# KiCad board Ortholith.kicad_pcb
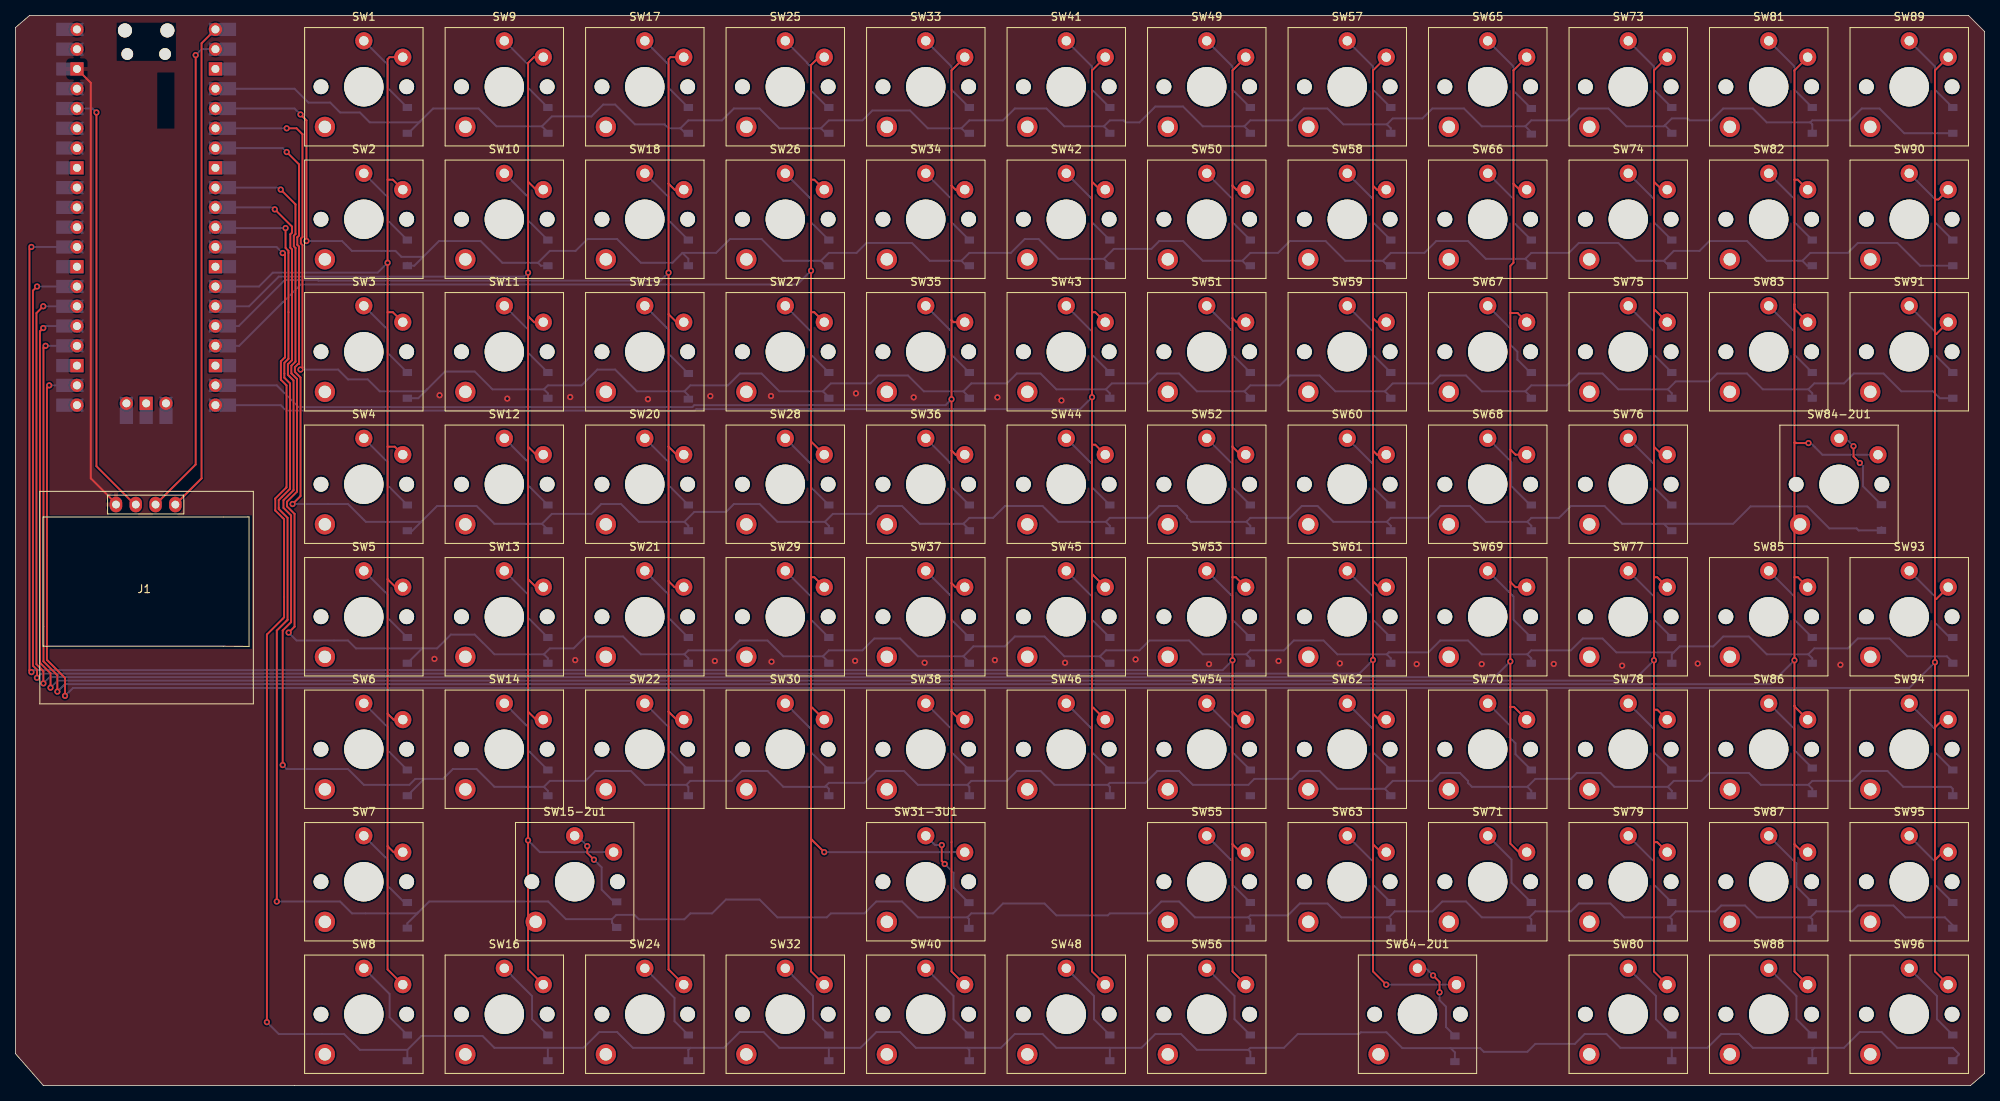
[diagram p0: board, top side]
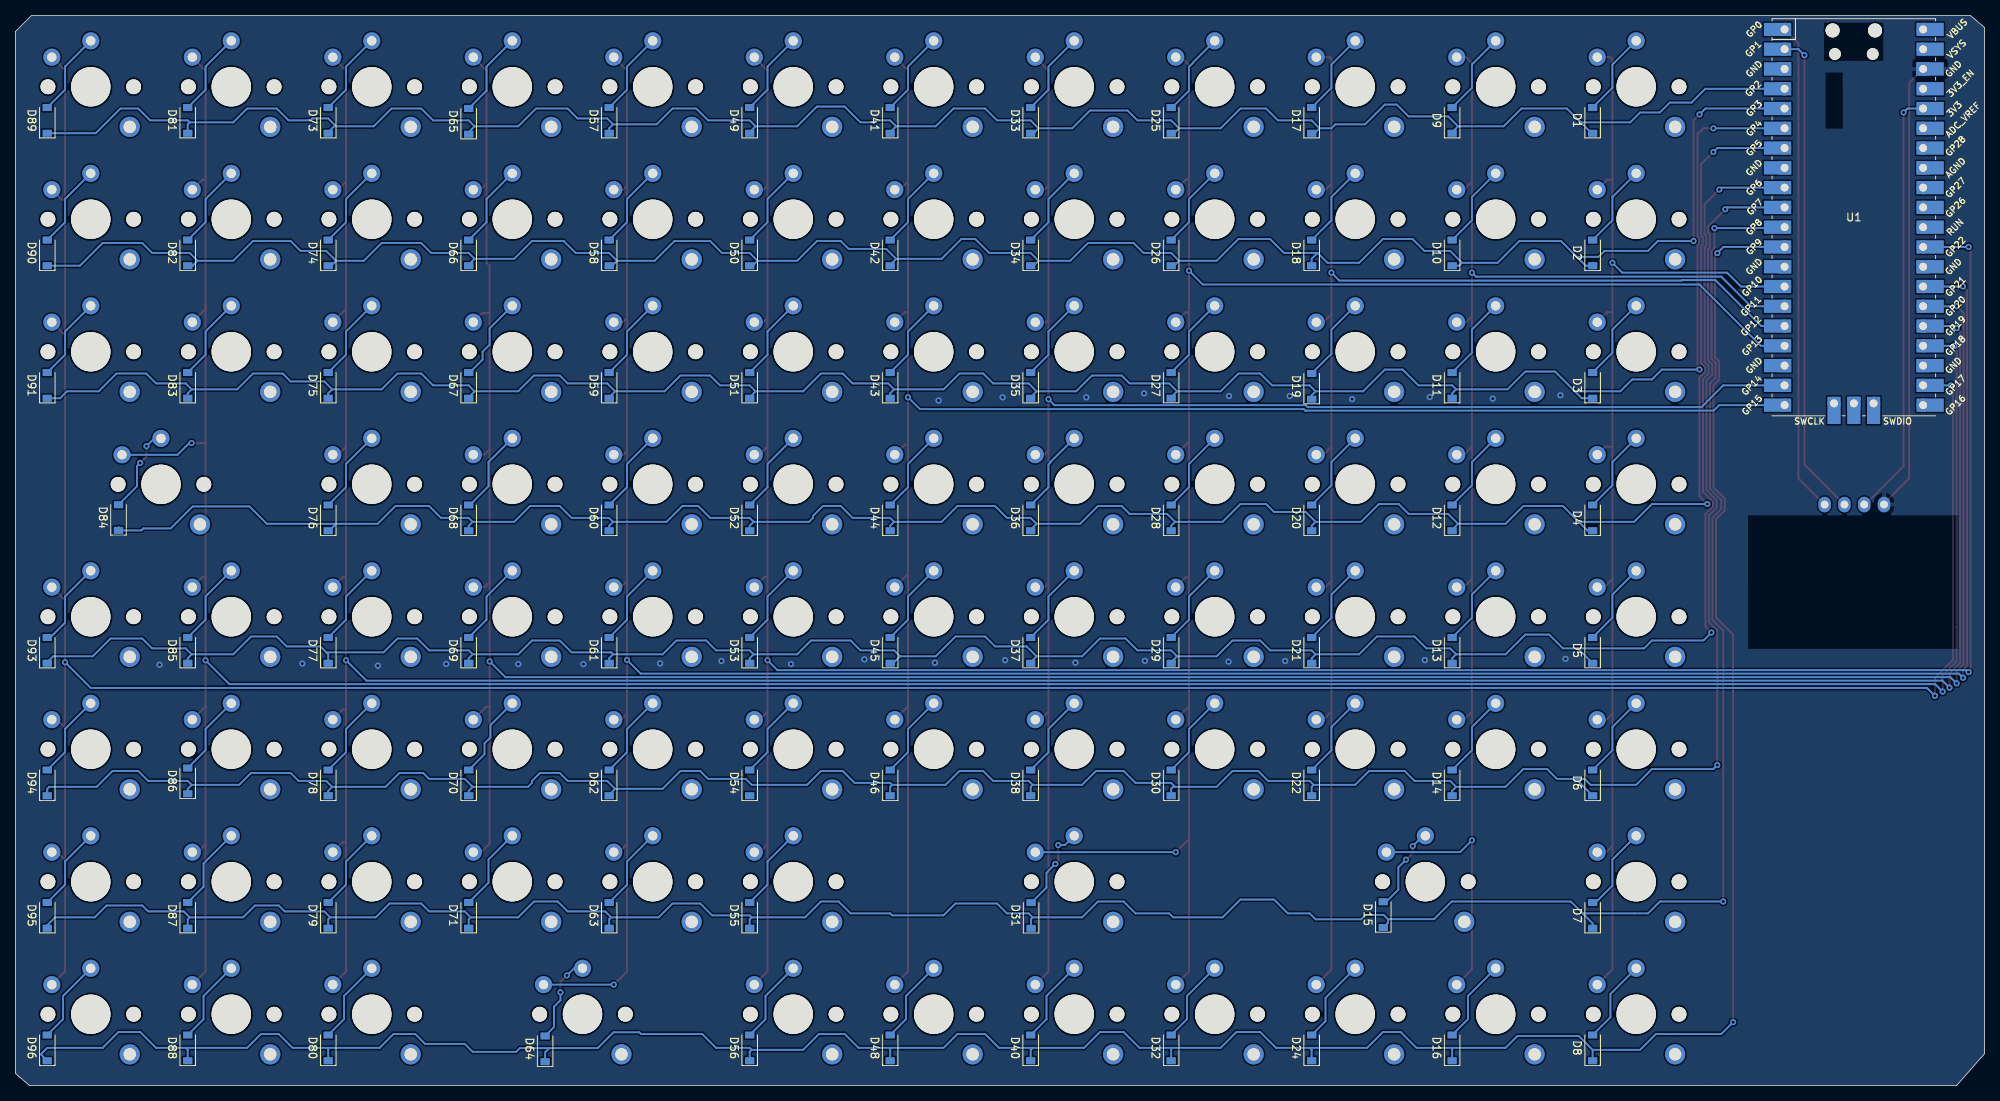
[diagram p1: board, bottom side, seen from below]

Outline 252.73 x 137.41 mm; copper layers: Top, Bottom. Coordinates in mm from the lower left corner of the outline.
Outline path: 0,135.89 0,4.06 3.56,0 250.95,0 252.73,1.52 252.73,135.38 250.7,137.41 1.78,137.41 0,135.89

## Placement (name value [footprint] x y rotation side)
D1  1N4148W  [D_SOD-123]  50.29 123.95 90 bottom
D2  1N4148W  [D_SOD-123]  50.29 106.93 90 bottom
D3  1N4148W  [D_SOD-123]  50.29 89.92 90 bottom
D4  1N4148W  [D_SOD-123]  50.29 72.9 90 bottom
D5  1N4148W  [D_SOD-123]  50.29 55.88 90 bottom
D6  1N4148W  [D_SOD-123]  50.29 38.86 90 bottom
D7  1N4148W  [D_SOD-123]  50.29 21.84 90 bottom
D8  1N4148W  [D_SOD-123]  50.29 4.83 90 bottom
D9  1N4148W  [D_SOD-123]  68.33 123.95 90 bottom
D10  1N4148W  [D_SOD-123]  68.33 106.93 90 bottom
D11  1N4148W  [D_SOD-123]  68.33 89.92 90 bottom
D12  1N4148W  [D_SOD-123]  68.33 72.9 90 bottom
D13  1N4148W  [D_SOD-123]  68.33 55.88 90 bottom
D14  1N4148W  [D_SOD-123]  68.33 38.86 90 bottom
D15  1N4148W  [D_SOD-123]  77.17 21.94 90 bottom
D16  1N4148W  [D_SOD-123]  68.33 4.83 90 bottom
D17  1N4148W  [D_SOD-123]  86.36 123.95 90 bottom
D18  1N4148W  [D_SOD-123]  86.36 106.93 90 bottom
D19  1N4148W  [D_SOD-123]  86.36 89.79 90 bottom
D20  1N4148W  [D_SOD-123]  86.36 72.9 90 bottom
D21  1N4148W  [D_SOD-123]  86.36 55.88 90 bottom
D22  1N4148W  [D_SOD-123]  86.36 38.86 90 bottom
D24  1N4148W  [D_SOD-123]  86.36 4.83 90 bottom
D25  1N4148W  [D_SOD-123]  104.39 123.95 90 bottom
D26  1N4148W  [D_SOD-123]  104.39 106.93 90 bottom
D27  1N4148W  [D_SOD-123]  104.39 89.92 90 bottom
D28  1N4148W  [D_SOD-123]  104.39 72.9 90 bottom
D29  1N4148W  [D_SOD-123]  104.39 55.88 90 bottom
D30  1N4148W  [D_SOD-123]  104.39 38.86 90 bottom
D31  1N4148W  [D_SOD-123]  122.38 21.83 90 bottom
D32  1N4148W  [D_SOD-123]  104.39 4.83 90 bottom
D33  1N4148W  [D_SOD-123]  122.43 123.95 90 bottom
D34  1N4148W  [D_SOD-123]  122.43 106.93 90 bottom
D35  1N4148W  [D_SOD-123]  122.43 89.92 90 bottom
D36  1N4148W  [D_SOD-123]  122.43 72.9 90 bottom
D37  1N4148W  [D_SOD-123]  122.43 55.88 90 bottom
D38  1N4148W  [D_SOD-123]  122.43 38.86 90 bottom
D40  1N4148W  [D_SOD-123]  122.43 4.83 90 bottom
D41  1N4148W  [D_SOD-123]  140.46 123.95 90 bottom
D42  1N4148W  [D_SOD-123]  140.46 106.93 90 bottom
D43  1N4148W  [D_SOD-123]  140.46 89.92 90 bottom
D44  1N4148W  [D_SOD-123]  140.46 72.9 90 bottom
D45  1N4148W  [D_SOD-123]  140.46 55.88 90 bottom
D46  1N4148W  [D_SOD-123]  140.46 38.86 90 bottom
D48  1N4148W  [D_SOD-123]  140.46 4.83 90 bottom
D49  1N4148W  [D_SOD-123]  158.5 123.95 90 bottom
D50  1N4148W  [D_SOD-123]  158.5 106.93 90 bottom
D51  1N4148W  [D_SOD-123]  158.5 89.92 90 bottom
D52  1N4148W  [D_SOD-123]  158.5 72.9 90 bottom
D53  1N4148W  [D_SOD-123]  158.5 55.88 90 bottom
D54  1N4148W  [D_SOD-123]  158.5 38.86 90 bottom
D55  1N4148W  [D_SOD-123]  158.5 21.84 90 bottom
D56  1N4148W  [D_SOD-123]  158.5 4.83 90 bottom
D57  1N4148W  [D_SOD-123]  176.53 123.95 90 bottom
D58  1N4148W  [D_SOD-123]  176.53 106.93 90 bottom
D59  1N4148W  [D_SOD-123]  176.53 89.92 90 bottom
D60  1N4148W  [D_SOD-123]  176.53 72.9 90 bottom
D61  1N4148W  [D_SOD-123]  176.53 55.88 90 bottom
D62  1N4148W  [D_SOD-123]  176.53 38.86 90 bottom
D63  1N4148W  [D_SOD-123]  176.53 21.84 90 bottom
D64  1N4148W  [D_SOD-123]  184.76 4.71 90 bottom
D65  1N4148W  [D_SOD-123]  194.56 123.83 90 bottom
D66  1N4148W  [D_SOD-123]  194.56 106.93 90 bottom
D67  1N4148W  [D_SOD-123]  194.56 89.92 90 bottom
D68  1N4148W  [D_SOD-123]  194.56 72.9 90 bottom
D69  1N4148W  [D_SOD-123]  194.56 55.88 90 bottom
D70  1N4148W  [D_SOD-123]  194.56 38.86 90 bottom
D71  1N4148W  [D_SOD-123]  194.56 21.84 90 bottom
D73  1N4148W  [D_SOD-123]  212.6 123.95 90 bottom
D74  1N4148W  [D_SOD-123]  212.6 106.93 90 bottom
D75  1N4148W  [D_SOD-123]  212.6 89.92 90 bottom
D76  1N4148W  [D_SOD-123]  212.6 72.9 90 bottom
D77  1N4148W  [D_SOD-123]  212.6 55.88 90 bottom
D78  1N4148W  [D_SOD-123]  212.6 38.86 90 bottom
D79  1N4148W  [D_SOD-123]  212.6 21.84 90 bottom
D80  1N4148W  [D_SOD-123]  212.6 4.83 90 bottom
D81  1N4148W  [D_SOD-123]  230.63 123.95 90 bottom
D82  1N4148W  [D_SOD-123]  230.63 106.93 90 bottom
D83  1N4148W  [D_SOD-123]  230.63 89.92 90 bottom
D84  1N4148W  [D_SOD-123]  239.52 72.94 90 bottom
D85  1N4148W  [D_SOD-123]  230.63 55.88 90 bottom
D86  1N4148W  [D_SOD-123]  230.63 39.12 90 bottom
D87  1N4148W  [D_SOD-123]  230.63 21.84 90 bottom
D88  1N4148W  [D_SOD-123]  230.63 4.83 90 bottom
D89  1N4148W  [D_SOD-123]  248.67 123.95 90 bottom
D90  1N4148W  [D_SOD-123]  248.67 106.93 90 bottom
D91  1N4148W  [D_SOD-123]  248.67 89.92 90 bottom
D93  1N4148W  [D_SOD-123]  248.67 55.88 90 bottom
D94  1N4148W  [D_SOD-123]  248.67 38.86 90 bottom
D95  1N4148W  [D_SOD-123]  248.67 21.84 90 bottom
D96  1N4148W  [D_SOD-123]  248.67 4.83 90 bottom
J1  OLED  [128x64OLED]  16.51 64.01 0 top
SW1  1U  [SW_Kailh_Choc_V1V2_1.00u]  44.7 128.27 0 top
SW2  1U  [SW_Kailh_Choc_V1V2_1.00u]  44.7 111.25 0 top
SW3  1U  [SW_Kailh_Choc_V1V2_1.00u]  44.7 94.23 0 top
SW4  1U  [SW_Kailh_Choc_V1V2_1.00u]  44.7 77.22 0 top
SW5  1U  [SW_Kailh_Choc_V1V2_1.00u]  44.7 60.2 0 top
SW6  1U  [SW_Kailh_Choc_V1V2_1.00u]  44.7 43.18 0 top
SW7  1U  [SW_Kailh_Choc_V1V2_1.00u]  44.7 26.16 0 top
SW8  1U  [SW_Kailh_Choc_V1V2_1.00u]  44.7 9.14 0 top
SW9  1U  [SW_Kailh_Choc_V1V2_1.00u]  62.74 128.27 0 top
SW10  1U  [SW_Kailh_Choc_V1V2_1.00u]  62.74 111.25 0 top
SW11  1U  [SW_Kailh_Choc_V1V2_1.00u]  62.74 94.23 0 top
SW12  1U  [SW_Kailh_Choc_V1V2_1.00u]  62.74 77.22 0 top
SW13  1U  [SW_Kailh_Choc_V1V2_1.00u]  62.74 60.2 0 top
SW14  1U  [SW_Kailh_Choc_V1V2_1.00u]  62.74 43.18 0 top
SW15-2u1  2U  [SW_Kailh_Choc_V1V2_2.00u]  71.77 26.17 0 top
SW16  1U  [SW_Kailh_Choc_V1V2_1.00u]  62.74 9.14 0 top
SW17  1U  [SW_Kailh_Choc_V1V2_1.00u]  80.77 128.27 0 top
SW18  1U  [SW_Kailh_Choc_V1V2_1.00u]  80.77 111.25 0 top
SW19  1U  [SW_Kailh_Choc_V1V2_1.00u]  80.77 94.23 0 top
SW20  1U  [SW_Kailh_Choc_V1V2_1.00u]  80.77 77.22 0 top
SW21  1U  [SW_Kailh_Choc_V1V2_1.00u]  80.77 60.2 0 top
SW22  1U  [SW_Kailh_Choc_V1V2_1.00u]  80.77 43.18 0 top
SW24  1U  [SW_Kailh_Choc_V1V2_1.00u]  80.77 9.14 0 top
SW25  1U  [SW_Kailh_Choc_V1V2_1.00u]  98.81 128.27 0 top
SW26  1U  [SW_Kailh_Choc_V1V2_1.00u]  98.81 111.25 0 top
SW27  1U  [SW_Kailh_Choc_V1V2_1.00u]  98.81 94.23 0 top
SW28  1U  [SW_Kailh_Choc_V1V2_1.00u]  98.81 77.22 0 top
SW29  1U  [SW_Kailh_Choc_V1V2_1.00u]  98.81 60.2 0 top
SW30  1U  [SW_Kailh_Choc_V1V2_1.00u]  98.81 43.18 0 top
SW31-3U1  3U  [SW_Kailh_Choc_V1V2_3.00u]  116.84 26.16 0 top
SW32  1U  [SW_Kailh_Choc_V1V2_1.00u]  98.81 9.14 0 top
SW33  1U  [SW_Kailh_Choc_V1V2_1.00u]  116.84 128.27 0 top
SW34  1U  [SW_Kailh_Choc_V1V2_1.00u]  116.84 111.25 0 top
SW35  1U  [SW_Kailh_Choc_V1V2_1.00u]  116.84 94.23 0 top
SW36  1U  [SW_Kailh_Choc_V1V2_1.00u]  116.84 77.22 0 top
SW37  1U  [SW_Kailh_Choc_V1V2_1.00u]  116.84 60.2 0 top
SW38  1U  [SW_Kailh_Choc_V1V2_1.00u]  116.84 43.18 0 top
SW40  1U  [SW_Kailh_Choc_V1V2_1.00u]  116.84 9.14 0 top
SW41  1U  [SW_Kailh_Choc_V1V2_1.00u]  134.87 128.27 0 top
SW42  1U  [SW_Kailh_Choc_V1V2_1.00u]  134.87 111.25 0 top
SW43  1U  [SW_Kailh_Choc_V1V2_1.00u]  134.87 94.23 0 top
SW44  1U  [SW_Kailh_Choc_V1V2_1.00u]  134.87 77.22 0 top
SW45  1U  [SW_Kailh_Choc_V1V2_1.00u]  134.87 60.2 0 top
SW46  1U  [SW_Kailh_Choc_V1V2_1.00u]  134.87 43.18 0 top
SW48  1U  [SW_Kailh_Choc_V1V2_1.00u]  134.87 9.14 0 top
SW49  1U  [SW_Kailh_Choc_V1V2_1.00u]  152.91 128.27 0 top
SW50  1U  [SW_Kailh_Choc_V1V2_1.00u]  152.91 111.25 0 top
SW51  1U  [SW_Kailh_Choc_V1V2_1.00u]  152.91 94.23 0 top
SW52  1U  [SW_Kailh_Choc_V1V2_1.00u]  152.91 77.22 0 top
SW53  1U  [SW_Kailh_Choc_V1V2_1.00u]  152.91 60.2 0 top
SW54  1U  [SW_Kailh_Choc_V1V2_1.00u]  152.91 43.18 0 top
SW55  1U  [SW_Kailh_Choc_V1V2_1.00u]  152.91 26.16 0 top
SW56  1U  [SW_Kailh_Choc_V1V2_1.00u]  152.91 9.14 0 top
SW57  1U  [SW_Kailh_Choc_V1V2_1.00u]  170.94 128.27 0 top
SW58  1U  [SW_Kailh_Choc_V1V2_1.00u]  170.94 111.25 0 top
SW59  1U  [SW_Kailh_Choc_V1V2_1.00u]  170.94 94.23 0 top
SW60  1U  [SW_Kailh_Choc_V1V2_1.00u]  170.94 77.22 0 top
SW61  1U  [SW_Kailh_Choc_V1V2_1.00u]  170.94 60.2 0 top
SW62  1U  [SW_Kailh_Choc_V1V2_1.00u]  170.94 43.18 0 top
SW63  1U  [SW_Kailh_Choc_V1V2_1.00u]  170.94 26.16 0 top
SW64-2U1  2U  [SW_Kailh_Choc_V1V2_2.00u]  179.96 9.15 0 top
SW65  1U  [SW_Kailh_Choc_V1V2_1.00u]  188.98 128.27 0 top
SW66  1U  [SW_Kailh_Choc_V1V2_1.00u]  188.98 111.25 0 top
SW67  1U  [SW_Kailh_Choc_V1V2_1.00u]  188.98 94.23 0 top
SW68  1U  [SW_Kailh_Choc_V1V2_1.00u]  188.98 77.22 0 top
SW69  1U  [SW_Kailh_Choc_V1V2_1.00u]  188.98 60.2 0 top
SW70  1U  [SW_Kailh_Choc_V1V2_1.00u]  188.98 43.18 0 top
SW71  1U  [SW_Kailh_Choc_V1V2_1.00u]  188.98 26.16 0 top
SW73  1U  [SW_Kailh_Choc_V1V2_1.00u]  207.01 128.27 0 top
SW74  1U  [SW_Kailh_Choc_V1V2_1.00u]  207.01 111.25 0 top
SW75  1U  [SW_Kailh_Choc_V1V2_1.00u]  207.01 94.23 0 top
SW76  1U  [SW_Kailh_Choc_V1V2_1.00u]  207.01 77.22 0 top
SW77  1U  [SW_Kailh_Choc_V1V2_1.00u]  207.01 60.2 0 top
SW78  1U  [SW_Kailh_Choc_V1V2_1.00u]  207.01 43.18 0 top
SW79  1U  [SW_Kailh_Choc_V1V2_1.00u]  207.01 26.16 0 top
SW80  1U  [SW_Kailh_Choc_V1V2_1.00u]  207.01 9.14 0 top
SW81  1U  [SW_Kailh_Choc_V1V2_1.00u]  225.04 128.27 0 top
SW82  1U  [SW_Kailh_Choc_V1V2_1.00u]  225.04 111.25 0 top
SW83  1U  [SW_Kailh_Choc_V1V2_1.00u]  225.04 94.23 0 top
SW84-2U1  2U  [SW_Kailh_Choc_V1V2_2.00u]  234.07 77.21 0 top
SW85  1U  [SW_Kailh_Choc_V1V2_1.00u]  225.04 60.2 0 top
SW86  1U  [SW_Kailh_Choc_V1V2_1.00u]  225.04 43.18 0 top
SW87  1U  [SW_Kailh_Choc_V1V2_1.00u]  225.04 26.16 0 top
SW88  1U  [SW_Kailh_Choc_V1V2_1.00u]  225.04 9.14 0 top
SW89  1U  [SW_Kailh_Choc_V1V2_1.00u]  243.08 128.27 0 top
SW90  1U  [SW_Kailh_Choc_V1V2_1.00u]  243.08 111.25 0 top
SW91  1U  [SW_Kailh_Choc_V1V2_1.00u]  243.08 94.23 0 top
SW93  1U  [SW_Kailh_Choc_V1V2_1.00u]  243.08 60.2 0 top
SW94  1U  [SW_Kailh_Choc_V1V2_1.00u]  243.08 43.18 0 top
SW95  1U  [SW_Kailh_Choc_V1V2_1.00u]  243.08 26.16 0 top
SW96  1U  [SW_Kailh_Choc_V1V2_1.00u]  243.08 9.14 0 top
U1  Pico  [RPi_Pico_SMD_TH]  16.76 111.51 180 bottom

## Footprints (pads in the part's own frame, mm; a bottom-side part is the same pattern mirrored in y, then rotated)
128x64OLED
  oval 1.6x2 hole 1: 1(-3.62,10.6) 2(-1.08,10.6) 3(1.46,10.6) 4(4,10.6)
D_SOD-123
  rect 0.9x1.2 smd: 1(-1.65,0) 2(1.65,0)
RPi_Pico_SMD_TH
  oval 1.8x1.8 hole 1.8 unplated: (-2.725,24) (2.725,24)
  oval 1.5x1.5 hole 1.5 unplated: (-2.425,20.97) (2.425,20.97)
  oval 1.7x1.7 hole 1.02: 1(-8.89,24.13) 2(-8.89,21.59) 4(-8.89,16.51) 5(-8.89,13.97) 6(-8.89,11.43) 7(-8.89,8.89) 9(-8.89,3.81) 10(-8.89,1.27) 11(-8.89,-1.27) 12(-8.89,-3.81) 14(-8.89,-8.89) 15(-8.89,-11.43) 16(-8.89,-13.97) 17(-8.89,-16.51) 19(-8.89,-21.59) 20(-8.89,-24.13) 21(8.89,-24.13) 22(8.89,-21.59) 24(8.89,-16.51) 25(8.89,-13.97) 26(8.89,-11.43) 27(8.89,-8.89) 29(8.89,-3.81) 30(8.89,-1.27) 31(8.89,1.27) 32(8.89,3.81) 34(8.89,8.89) 35(8.89,11.43) 36(8.89,13.97) 37(8.89,16.51) 39(8.89,21.59) 40(8.89,24.13) 41(-2.54,-23.9) 43(2.54,-23.9)
  rect 3.5x1.7 smd: 1(-8.89,24.13) 2(-8.89,21.59) 3(-8.89,19.05) 4(-8.89,16.51) 5(-8.89,13.97) 6(-8.89,11.43) 7(-8.89,8.89) 8(-8.89,6.35) 9(-8.89,3.81) 10(-8.89,1.27) 11(-8.89,-1.27) 12(-8.89,-3.81) 13(-8.89,-6.35) 14(-8.89,-8.89) 15(-8.89,-11.43) 16(-8.89,-13.97) 17(-8.89,-16.51) 18(-8.89,-19.05) 19(-8.89,-21.59) 20(-8.89,-24.13) 21(8.89,-24.13) 22(8.89,-21.59) 23(8.89,-19.05) 24(8.89,-16.51) 25(8.89,-13.97) 26(8.89,-11.43) 27(8.89,-8.89) 28(8.89,-6.35) 29(8.89,-3.81) 30(8.89,-1.27) 31(8.89,1.27) 32(8.89,3.81) 33(8.89,6.35) 34(8.89,8.89) 35(8.89,11.43) 36(8.89,13.97) 37(8.89,16.51) 38(8.89,19.05) 39(8.89,21.59) 40(8.89,24.13)
  rect 1.7x1.7 hole 1.02: 3(-8.89,19.05) 8(-8.89,6.35) 13(-8.89,-6.35) 18(-8.89,-19.05) 23(8.89,-19.05) 28(8.89,-6.35) 33(8.89,6.35) 38(8.89,19.05) 42(0,-23.9)
  rect 1.7x3.5 smd: 41(-2.54,-23.9) 42(0,-23.9) 43(2.54,-23.9)
SW_Kailh_Choc_V1V2_1.00u
  round 1.9 hole 1.9 unplated: (-5.5,0) (5.5,0)
  round 1.65 smd: (-5,-5.15)
  round 2.6 hole 1.6: (-5,-5.15)
  round 1.25 smd: (0,5.9) (5,3.8)
  round 5.05 hole 5.05 unplated: (0,0)
  round 2.2 hole 1.2: 1(0,5.9) 2(5,3.8)
SW_Kailh_Choc_V1V2_2.00u
  round 1.9 hole 1.9 unplated: (-5.5,0) (5.5,0)
  round 1.65 smd: (-5,-5.15)
  round 2.6 hole 1.6: (-5,-5.15)
  round 1.25 smd: (0,5.9) (5,3.8)
  round 5.05 hole 5.05 unplated: (0,0)
  round 2.2 hole 1.2: 1(0,5.9) 2(5,3.8)
SW_Kailh_Choc_V1V2_3.00u
  round 1.9 hole 1.9 unplated: (-5.5,0) (5.5,0)
  round 1.65 smd: (-5,-5.15)
  round 2.6 hole 1.6: (-5,-5.15)
  round 1.25 smd: (0,5.9) (5,3.8)
  round 5.05 hole 5.05 unplated: (0,0)
  round 2.2 hole 1.2: 1(0,5.9) 2(5,3.8)

## Nets
3V3: J1.2 U1.36
GND: J1.1 U1.38
Col0: SW1.2 SW2.2 SW3.2 SW4.2 SW5.2 SW6.2 SW7.2 SW8.2 U1.14
Col1: SW9.2 SW10.2 SW11.2 SW12.2 SW13.2 SW14.2 SW15-2u1.2 SW16.2 U1.15
Col2: SW17.2 SW18.2 SW19.2 SW20.2 SW21.2 SW22.2 SW24.2 U1.16
Col3: SW25.2 SW26.2 SW27.2 SW28.2 SW29.2 SW30.2 SW31-3U1.2 SW32.2 U1.17
Col4: SW33.2 SW34.2 SW35.2 SW36.2 SW37.2 SW38.2 SW40.2 U1.19
Col5: SW41.2 SW42.2 SW43.2 SW44.2 SW45.2 SW46.2 SW48.2 U1.20
Col6: SW49.2 SW50.2 SW51.2 SW52.2 SW53.2 SW54.2 SW55.2 SW56.2 U1.29
Col7: SW57.2 SW58.2 SW59.2 SW60.2 SW61.2 SW62.2 SW63.2 SW64-2U1.2 U1.27
Col8: SW65.2 SW66.2 SW67.2 SW68.2 SW69.2 SW70.2 SW71.2 U1.26
Col9: SW73.2 SW74.2 SW75.2 SW76.2 SW77.2 SW78.2 SW79.2 SW80.2 U1.25
Col10: SW81.2 SW82.2 SW83.2 SW84-2U1.2 SW85.2 SW86.2 SW87.2 SW88.2 U1.24
Col11: SW89.2 SW90.2 SW91.2 SW93.2 SW94.2 SW95.2 SW96.2 U1.22
Row0: D1.1 D9.1 D17.1 D25.1 D33.1 D41.1 D49.1 D57.1 D65.1 D73.1 D81.1 D89.1 U1.4
Row1: D2.1 D10.1 D18.1 D26.1 D34.1 D42.1 D50.1 D58.1 D66.1 D74.1 D82.1 D90.1 U1.5
Row2: D3.1 D11.1 D19.1 D27.1 D35.1 D43.1 D51.1 D59.1 D67.1 D75.1 D83.1 D91.1 U1.6
Row3: D4.1 D12.1 D20.1 D28.1 D36.1 D44.1 D52.1 D60.1 D68.1 D76.1 D84.1 U1.7
Row4: D5.1 D13.1 D21.1 D29.1 D37.1 D45.1 D53.1 D61.1 D69.1 D77.1 D85.1 D93.1 U1.9
Row5: D6.1 D14.1 D22.1 D30.1 D38.1 D46.1 D54.1 D62.1 D70.1 D78.1 D86.1 D94.1 U1.10
Row6: D7.1 D15.1 D31.1 D55.1 D63.1 D71.1 D79.1 D87.1 D95.1 U1.11
Row7: D8.1 D16.1 D24.1 D32.1 D40.1 D48.1 D56.1 D64.1 D80.1 D88.1 D96.1 U1.12
SCL: J1.3 U1.2
SDA: J1.4 U1.1
Net-(D1-Pad2): D1.2 SW1.1
Net-(D2-Pad2): D2.2 SW2.1
Net-(D3-Pad2): D3.2 SW3.1
Net-(D4-Pad2): D4.2 SW4.1
Net-(D5-Pad2): D5.2 SW5.1
Net-(D6-Pad2): D6.2 SW6.1
Net-(D7-Pad2): D7.2 SW7.1
Net-(D8-Pad2): D8.2 SW8.1
Net-(D9-Pad2): D9.2 SW9.1
Net-(D10-Pad2): D10.2 SW10.1
Net-(D11-Pad2): D11.2 SW11.1
Net-(D12-Pad2): D12.2 SW12.1
Net-(D13-Pad2): D13.2 SW13.1
Net-(D14-Pad2): D14.2 SW14.1
Net-(D15-Pad2): D15.2 SW15-2u1.1
Net-(D16-Pad2): D16.2 SW16.1
Net-(D17-Pad2): D17.2 SW17.1
Net-(D18-Pad2): D18.2 SW18.1
Net-(D19-Pad2): D19.2 SW19.1
Net-(D20-Pad2): D20.2 SW20.1
Net-(D21-Pad2): D21.2 SW21.1
Net-(D22-Pad2): D22.2 SW22.1
Net-(D24-Pad2): D24.2 SW24.1
Net-(D25-Pad2): D25.2 SW25.1
Net-(D26-Pad2): D26.2 SW26.1
Net-(D27-Pad2): D27.2 SW27.1
Net-(D28-Pad2): D28.2 SW28.1
Net-(D29-Pad2): D29.2 SW29.1
Net-(D30-Pad2): D30.2 SW30.1
Net-(D31-Pad2): D31.2 SW31-3U1.1
Net-(D32-Pad2): D32.2 SW32.1
Net-(D33-Pad2): D33.2 SW33.1
Net-(D34-Pad2): D34.2 SW34.1
Net-(D35-Pad2): D35.2 SW35.1
Net-(D36-Pad2): D36.2 SW36.1
Net-(D37-Pad2): D37.2 SW37.1
Net-(D38-Pad2): D38.2 SW38.1
Net-(D40-Pad2): D40.2 SW40.1
Net-(D41-Pad2): D41.2 SW41.1
Net-(D42-Pad2): D42.2 SW42.1
Net-(D43-Pad2): D43.2 SW43.1
Net-(D44-Pad2): D44.2 SW44.1
Net-(D45-Pad2): D45.2 SW45.1
Net-(D46-Pad2): D46.2 SW46.1
Net-(D48-Pad2): D48.2 SW48.1
Net-(D49-Pad2): D49.2 SW49.1
Net-(D50-Pad2): D50.2 SW50.1
Net-(D51-Pad2): D51.2 SW51.1
Net-(D52-Pad2): D52.2 SW52.1
Net-(D53-Pad2): D53.2 SW53.1
Net-(D54-Pad2): D54.2 SW54.1
Net-(D55-Pad2): D55.2 SW55.1
Net-(D56-Pad2): D56.2 SW56.1
Net-(D57-Pad2): D57.2 SW57.1
Net-(D58-Pad2): D58.2 SW58.1
Net-(D59-Pad2): D59.2 SW59.1
Net-(D60-Pad2): D60.2 SW60.1
Net-(D61-Pad2): D61.2 SW61.1
Net-(D62-Pad2): D62.2 SW62.1
Net-(D63-Pad2): D63.2 SW63.1
Net-(D64-Pad2): D64.2 SW64-2U1.1
Net-(D65-Pad2): D65.2 SW65.1
Net-(D66-Pad2): D66.2 SW66.1
Net-(D67-Pad2): D67.2 SW67.1
Net-(D68-Pad2): D68.2 SW68.1
Net-(D69-Pad2): D69.2 SW69.1
Net-(D70-Pad2): D70.2 SW70.1
Net-(D71-Pad2): D71.2 SW71.1
Net-(D73-Pad2): D73.2 SW73.1
Net-(D74-Pad2): D74.2 SW74.1
Net-(D75-Pad2): D75.2 SW75.1
Net-(D76-Pad2): D76.2 SW76.1
Net-(D77-Pad2): D77.2 SW77.1
Net-(D78-Pad2): D78.2 SW78.1
Net-(D79-Pad2): D79.2 SW79.1
Net-(D80-Pad2): D80.2 SW80.1
Net-(D81-Pad2): D81.2 SW81.1
Net-(D82-Pad2): D82.2 SW82.1
Net-(D83-Pad2): D83.2 SW83.1
Net-(D84-Pad2): D84.2 SW84-2U1.1
Net-(D85-Pad2): D85.2 SW85.1
Net-(D86-Pad2): D86.2 SW86.1
Net-(D87-Pad2): D87.2 SW87.1
Net-(D88-Pad2): D88.2 SW88.1
Net-(D89-Pad2): D89.2 SW89.1
Net-(D90-Pad2): D90.2 SW90.1
Net-(D91-Pad2): D91.2 SW91.1
Net-(D93-Pad2): D93.2 SW93.1
Net-(D94-Pad2): D94.2 SW94.1
Net-(D95-Pad2): D95.2 SW95.1
Net-(D96-Pad2): D96.2 SW96.1

Pads without a net: U1 3 8 13 18 21 23 28 30 31 32 33 34 35 37 39 40 41 42 43

## Via types
v1: diameter 0.8, hole 0.4, Top to Bottom, 80 vias
